# KiCad board Video Board - Signals.kicad_pcb (continued)
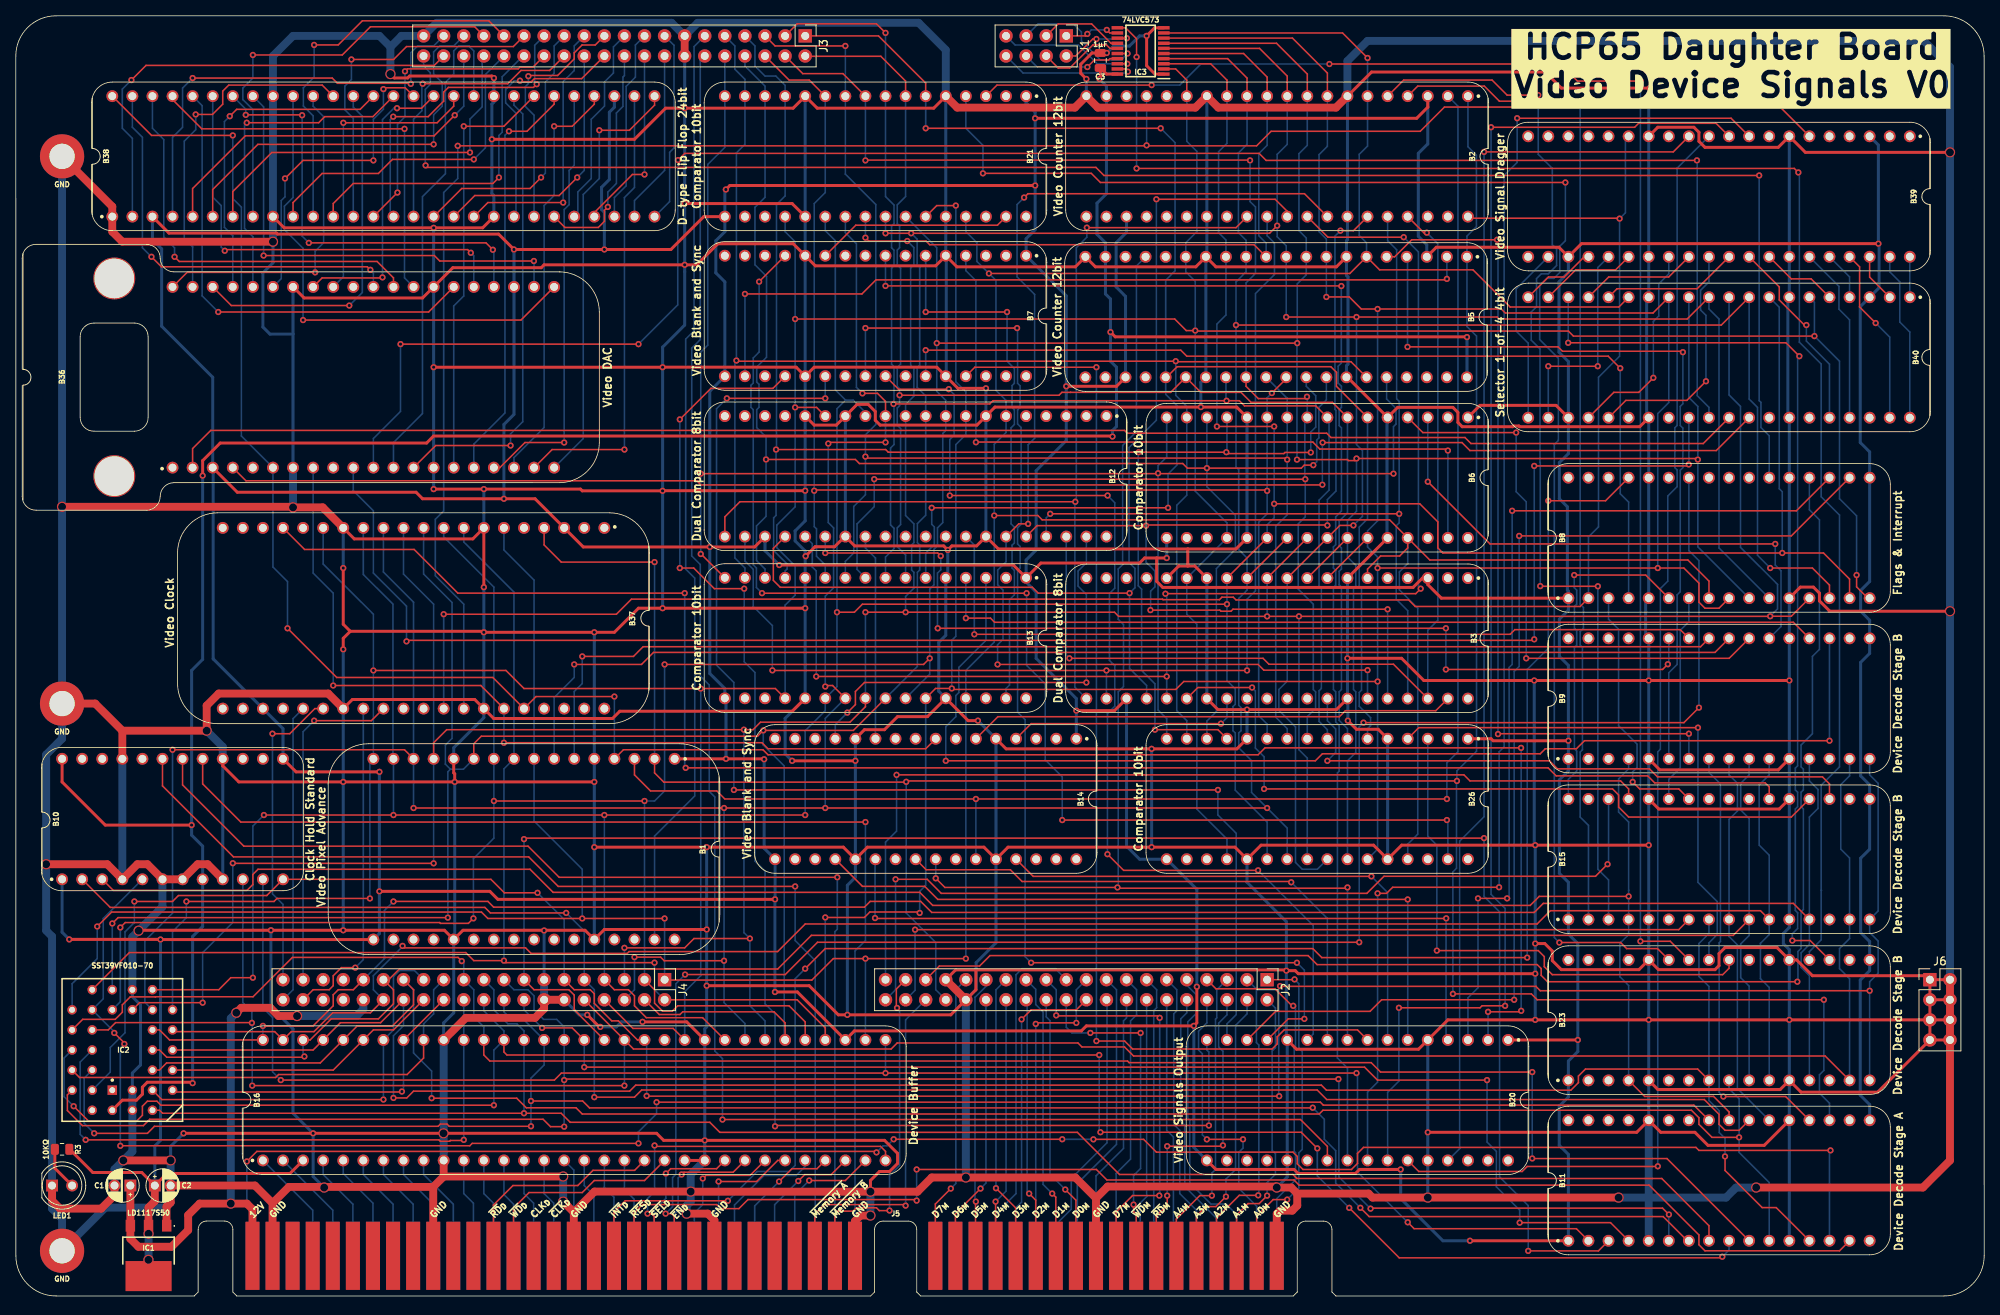
[diagram p0: board, top side]
## Routing (per net, layer and track width the routed paths; a pad name or vN(x,y) marks a point on that pad's centre or on a via; arc(x,y) is an arc through that point) (continued)
/~{Vertical Sync Start} _{CMP}: length 67.9
  Top w0.2: v1(125.36,124.46) 125.36,124.46 v1(115.07,124.46)
  Bottom w0.2: v1(125.36,124.46) 125.36,118.24 126.29,117.31 126.29,115.44 125.99,115.15 125.99,112.4 126.29,112.1 126.29,110.24 125.87,109.82 125.87,97.66 126.29,97.24 126.29,95.25 125.99,94.96 125.99,92.08 126.29,91.78 126.29,88.69 125.67,88.07 125.67,77.28 125.23,76.84 B13.31 ; B7.6 v1(115.07,124.46)
/~{Vertical Sync}: length 179.1
  Top w0.2: v1(83.97,92.08) 85.73,92.08 88.34,89.47 v1(92.12,89.47) ; v1(96.02,21.46) 96.12,21.57 v1(150.88,21.57) ; v1(83.97,110.87) 87.91,114.81 95.76,114.81 B7.20
  Bottom w0.2: v1(96.02,21.46) 96.02,35.69 94.75,36.96 94.75,53.74 93.48,55.01 93.48,78.86 92.12,80.22 v1(92.12,89.47) ; v1(150.88,21.57) 150.88,30.86 150.63,31.12 B20.16 ; v1(83.97,92.08) v1(83.97,110.87)
/~{WD}: length 323.4
  Top w0.2: v1(159.77,25.27) 79.81,25.27 v1(79.78,25.31) ; v1(65.98,51) 61.79,51 60.08,52.71 B10.12 31.73,50.65 20.56,50.65 19.81,49.9 v1(14.99,49.9) ; B16.45 78.62,32.39 76.21,34.8 75.37,34.8 73.16,37.01 73.16,38.23 72.65,38.74 70.62,38.74 J4.11 ; v1(234.45,38.61) 192.79,38.61 192.24,39.17 159.92,39.17 v1(159.89,39.2)
  Bottom w0.2: v1(159.89,39.2) 159.72,39.03 159.72,25.32 v1(159.77,25.27) ; 79.78,32.11 v1(79.78,25.31) ; v1(14.99,49.9) 14.99,47.24 13.81,46.06 13.81,33.3 11.95,31.43 11.95,28.32 IC2.31 ; B23.16 v1(234.45,38.61) 234.45,39.75 235.52,40.83 235.52,44.9 234.45,45.97 B15.16 235.52,48.7 235.52,64.84 234.45,65.91 B9.16 ; v1(65.98,51) 69.35,47.63 J4.11
AD0: length 14.7
  Bottom w0.2: B16.1 37.55,10.85 37.55,5.08
AD1: length 14.7
  Bottom w0.2: 40.09,5.08 40.09,10.85 B16.2
AD2: length 13.6
  Bottom w0.2: 42.63,5.08 42.63,11.61 38.87,15.37 B16.4
AD3: length 13.6
  Bottom w0.2: B16.5 41.41,15.49 45.17,11.73 45.17,5.08
AD4: length 13.6
  Bottom w0.2: B16.6 43.95,15.37 47.71,11.61 47.71,5.08
AD5: length 13.6
  Bottom w0.2: 50.25,5.08 50.25,11.61 46.49,15.37 B16.7
AD6: length 13.3
  Bottom w0.2: B16.8 49.03,15.37 52.59,11.81 52.59,5.28
AD7: length 13.6
  Bottom w0.2: B16.9 51.57,15.37 55.33,11.61 55.33,5.08
AD8: length 12.6
  Bottom w0.2: 57.87,5.08 57.87,11.73 56.65,12.95 B16.11
AD9: length 12.6
  Bottom w0.2: 60.41,5.08 60.41,11.73 59.19,12.95 B16.12
AD10: length 12.6
  Bottom w0.2: B16.13 61.73,12.83 62.95,11.61 62.95,5.08
AD11: length 12.6
  Bottom w0.2: B16.14 64.27,12.95 65.49,11.73 65.49,5.08
AD12: length 12.6
  Bottom w0.2: B16.15 66.81,12.95 68.03,11.73 68.03,5.08
AD13: length 12.6
  Bottom w0.2: B16.16 70.57,15.93 70.57,5.08
AD14: length 12.6
  Bottom w0.2: B16.17 71.89,13.97 73.11,12.75 73.11,5.08
AD15: length 12.6
  Bottom w0.2: 75.65,5.08 75.65,12.5 74.43,13.72 B16.18
AD16: length 12.6
  Bottom w0.2: 78.19,5.08 78.19,12.24 76.97,13.46 B16.19
AM0: length 42.3
  Top w0.2: J2.1 161.68,40.01 v1(161.72,40.04) ; v1(160.79,12.19) 159.01,12.19 156.93,10.11 156.93,5.08
  Bottom w0.2: v1(161.72,40.04) 162.26,39.5 162.26,31.37 162.69,30.93 162.69,18.54 162.26,18.11 162.26,13.66 v1(160.79,12.19)
AM1: length 36
  Top w0.2: v1(158.25,12.69) 157.24,11.68 155.84,11.68 154.39,10.24 154.39,5.08
  Bottom w0.2: v1(158.25,12.69) 158.25,14.35 159.3,15.4 159.3,18 158.88,18.42 158.88,30.99 159.3,31.4 159.3,36.41 J2.2
AM2: length 39.2
  Top w0.2: v1(157.12,12.73) 154.72,12.73 151.85,9.86 151.85,5.08
  Bottom w0.2: v1(157.12,12.73) 157.2,12.81 157.2,31.75 156.9,32.05 156.9,38.82 J2.3
AM3: length 35.8
  Top w0.2: v1(153.04,12.57) 151.77,11.3 150.5,11.3 149.31,10.11 149.31,5.08
  Bottom w0.2: J2.4 155.71,35.69 154.26,34.24 154.26,16 153.04,14.79 v1(153.04,12.57)
AM4: length 38.5
  Top w0.2: v1(151.26,12.69) 149.73,12.69 146.77,9.73 146.77,5.08
  Bottom w0.2: v1(151.26,12.69) 151.26,15.55 151.72,16 151.72,35.02 151.88,35.18 151.88,38.72 J2.5
AM5: length 40.6
  Top w0.2: v1(145.61,12.69) 145.61,11.49 144.23,10.11 144.23,5.08 ; v1(145.61,18.95) 152.56,18.95 v1(152.66,19.05)
  Bottom w0.2: v1(145.61,12.69) 145.61,18.94 v1(145.61,18.95) ; v1(152.66,19.05) 152.66,30.95 152.12,31.5 152.12,34.51 153.17,35.56 J2.6
AM6: length 40.9
  Top w0.2: J2.7 151.78,38.85 159.25,38.85 161.4,36.7 v1(161.55,36.7)
  Bottom w0.2: v1(161.55,36.7) 161.84,36.41 161.84,31.53 161.68,31.37 161.68,18.29 161.84,18.13 161.84,14.68 159.47,12.31 159.47,9.28
AM7: length 39
  Top w0.2: v1(150.63,19.81) v1(155.2,19.81)
  Bottom w0.2: 156.93,5.08 156.93,11.35 154.66,13.62 154.66,18.16 155.2,18.7 v1(155.2,19.81) ; J2.8 150.63,34.54 149.58,33.49 149.58,31.12 150.06,30.64 150.06,20.38 v1(150.63,19.81)
AM8: length 38.9
  Bottom w0.2: 154.39,5.08 154.39,10.29 153.06,11.62 151.15,11.62 148.47,14.31 148.47,22.23 148.22,22.48 148.22,34.67 149.36,35.81 149.36,38.04 148.09,39.31
AM9: length 34.6
  Bottom w0.2: J2.10 148.09,35.81 147.33,35.05 147.33,22.1 147.84,21.59 147.84,13.84 151.85,9.82 151.85,5.08
AM10: length 36.8
  Bottom w0.2: 149.31,5.08 149.31,10.85 147.2,12.95 147.2,20.96 146.44,21.72 146.44,35.69 146.82,36.07 146.82,38.74 J2.11
AM11: length 32.1
  Bottom w0.2: J2.12 145.55,20.96 146.4,20.11 146.4,5.67
AM12: length 35.3
  Bottom w0.2: 143.91,5.4 143.91,36.1 144.28,36.47 144.28,38.74 J2.13
AM13: length 32.2
  Bottom w0.2: J2.14 143.01,12.56 142.2,11.76 142.2,5.59
AM14: length 36.5
  Bottom w0.2: J2.15 141.74,38.74 141.74,35.56 140.98,34.8 140.98,17.32 139.15,15.49 139.15,5.08
AM15: length 34
  Bottom w0.2: 136.61,5.08 136.61,15.19 140.09,18.67 140.09,34.8 140.47,35.18 J2.16
AM16: length 37.3
  Bottom w0.2: J2.17 139.2,38.74 139.2,19.18 134.25,14.22 134.25,5.26
AM17: length 31
  Bottom w0.2: 131.53,9.03 133.48,10.98 133.48,14.86 138,19.37 138,37.4
AM18: length 40.5
  Top w0.2: v1(134.12,34.54) 129.12,34.54 v1(128.99,34.42)
  Bottom w0.2: J2.19 134.12,38.74 v1(134.12,34.54) ; 128.99,5.08 v1(128.99,34.42)
AM19: length 39.4
  Top w0.2: J2.20 134.12,36.2 128.4,36.2 v1(127.19,34.98)
  Bottom w0.2: 126.45,5.08 126.45,11.13 127.19,11.87 v1(127.19,34.98)
AM20: length 43.9
  Bottom w0.2: 123.91,5.08 123.91,10.36 126.49,12.95 126.49,40.63 127.26,41.4 131.45,41.4 J2.21
DD0: length 18.4
  Top w0.2: B16.31 104.91,14.61 v1(100.34,14.61)
  Bottom w0.2: 98.51,5.08 98.51,12.78 v1(100.34,14.61)
DD1: length 17.7
  Top w0.2: B16.30 103.11,15.35 99.76,15.35 v1(98.96,14.54)
  Bottom w0.2: v1(98.96,14.54) 95.97,11.55 95.97,5.08
DD2: length 17.6
  Top w0.2: v1(96.53,14.48) 98.15,16.1 101.32,16.1 B16.29
  Bottom w0.2: 93.45,5.1 93.45,11.4 v1(96.53,14.48)
DD3: length 18.1
  Bottom w0.2: 90.89,5.08 90.89,11.51 94.62,15.24 98.69,15.24 99.83,16.38 B16.28
DD4: length 19.1
  Top w0.2: B16.27 96.36,17.15 93.69,14.48 v1(88.88,14.48)
  Bottom w0.2: 88.35,5.08 88.35,10.74 88.88,11.27 v1(88.88,14.48)
DD5: length 19
  Top w0.2: B16.26 92.86,15.26 87.28,15.26 v1(86.88,14.86)
  Bottom w0.2: v1(86.88,14.86) 86.88,11.56 85.81,10.49 85.81,5.08
DD6: length 19.4
  Top w0.2: B16.25 90.72,15.66 84.49,15.66 v1(84.2,15.37)
  Bottom w0.2: 83.27,5.08 83.27,10.36 83.76,10.85 83.76,14.92 v1(84.2,15.37)
DD7: length 19.2
  Top w0.2: v1(82.21,15.49) 82.81,16.1 88.62,16.1 B16.24
  Bottom w0.2: v1(82.21,15.49) 82.21,12.35 80.73,10.87 80.73,5.08
DM0: length 33.9
  Top w0.2: v1(132.72,13.46) 134.07,12.12 134.07,5.08
  Bottom w0.2: J2.24 130.31,35.31 130.79,34.82 130.79,15.39 v1(132.72,13.46)
DM1: length 36.5
  Top w0.2: 131.53,5.08 131.53,12.5 v1(131.07,12.95)
  Bottom w0.2: J2.25 128.98,38.79 128.98,36.87 129.91,35.94 129.91,14.12 v1(131.07,12.95)
DM2: length 32.7
  Top w0.2: v1(128.15,12.95) 128.99,12.12 128.99,5.08
  Bottom w0.2: v1(128.15,12.95) 127.9,13.21 127.9,37.34
DM3: length 36.5
  Top w0.2: 126.45,5.08 126.45,11.14 v1(123.96,13.63)
  Bottom w0.2: v1(123.96,13.63) 123.96,38.74 J2.27
DM4: length 32.9
  Top w0.2: 123.91,5.08 v1(123.91,11.94)
  Bottom w0.2: v1(123.91,11.94) 125.23,13.26 J2.28
DM5: length 35.6
  Top w0.2: v1(121.42,11.94) 121.37,11.89 121.37,5.08
  Bottom w0.2: J2.29 122.69,39.16 121.31,37.78 121.31,12.05 v1(121.42,11.94)
DM6: length 30.1
  Top w0.2: v1(122.01,13.59) 118.83,10.41 118.83,8.94
  Bottom w0.2: v1(122.01,13.59) 122.69,14.27 J2.30
DM7: length 36.5
  Top w0.2: v1(118.25,13.59) 116.29,11.63 116.29,5.08
  Bottom w0.2: J2.31 118.88,38.74 118.88,14.22 v1(118.25,13.59)
D~{RD}: length 27.9
  Top w0.2: 60.41,5.08 60.41,11.51 62.87,13.97 71.07,13.97 72.99,15.89 78.26,15.89 B16.20
D~{WD}: length 27.6
  Top w0.2: B16.21 79.51,14.61 73.16,14.61 71.64,13.08 64.91,13.08 62.95,11.13 62.95,5.08
HD0: length 144.3
  Top w0.2: v1(107.45,59.94) 28.46,59.94 23.63,64.77 23.63,67.84
  Bottom w0.2: 106.13,5.08 106.13,43.64 107.45,44.96 v1(107.45,59.94)
HD1: length 139
  Top w0.2: v1(103.89,52.96) 68.72,52.96 64.78,56.9 28.84,56.9 21.09,64.64 B10.18
  Bottom w0.2: v1(103.89,52.96) 103.89,46.39 103.59,46.09 103.59,5.08
HD2: length 136.4
  Top w0.2: B10.19 18.55,64.52 27.53,55.54 64.87,55.54 68.6,51.8 v1(98.56,51.8)
  Bottom w0.2: v1(98.56,51.8) 98.56,44.96 101.1,42.42 101.1,5.13
M~{RD}: length 52.6
  Top w0.2: v1(144.66,35.18) 144.41,35.43 131.64,35.43 v1(131.58,35.5) ; 139.15,5.08 139.15,10.62 141.23,12.7 v1(144.61,12.7)
  Bottom w0.2: v1(144.66,35.18) 144.66,12.75 v1(144.61,12.7) ; J2.23 131.58,38.74 v1(131.58,35.5)
M~{WD}: length 41.9
  Top w0.2: 141.69,5.08 141.69,10.34 141.36,10.67 v1(141.36,11.56) ; v1(135.9,33.27) v1(142.25,33.27)
  Bottom w0.2: J2.22 132.85,33.99 133.56,33.27 v1(135.9,33.27) ; v1(142.25,33.27) 142.25,16.13 141.36,15.24 v1(141.36,11.56)
~{Device Interrupt}: length 219.4
  Top w0.2: B8.29 201.05,100.58 v1(193.81,100.58) ; 75.65,5.08 75.65,10.62 77.07,12.04 v1(90.05,12.04) ; v1(191.14,42.8) 165.17,42.8 164.03,43.94 102.37,43.94 v1(99.83,41.4)
  Bottom w0.2: v1(191.14,42.8) 191.14,79.25 193.81,81.92 v1(193.81,100.58) ; v1(99.83,41.4) 98.56,40.13 98.56,16.51 97.8,15.75 93.76,15.75 v1(90.05,12.04)
~{Enable Device}: length 225.3
  Top w0.2: v1(84.64,40.66) 97.31,40.66 101.39,44.74 v1(169.9,44.74) ; v1(170.44,72.52) 210.95,72.52 v1(212.86,74.42) ; 83.27,5.08 83.27,10.08 82.94,10.41 v1(82.18,10.41)
  Bottom w0.2: v1(84.64,40.66) 83.47,39.49 83.47,15.39 83.06,14.98 83.06,11.29 v1(82.18,10.41) ; B8.26 211.59,94.28 212.86,93.01 v1(212.86,74.42) ; v1(170.44,72.52) 169.9,71.97 v1(169.9,44.74)
~{Memory A}: length 44.4
  Top w0.2: v1(112.53,11.43) 112.41,11.55 102.24,11.55 101.05,10.36 101.05,5.08
  Bottom w0.2: v1(112.53,11.43) 112.53,34.93 J2.36
~{Memory B}: length 43.1
  Top w0.2: 103.59,5.08 103.59,10.36 103.96,10.73 105.88,10.73 106.31,11.15 108.85,11.15 109.21,10.8 110.49,10.8 v1(110.5,10.81) ; J2.37 111.35,38.83 111.35,36.53 v1(111.45,36.43)
  Bottom w0.2: v1(110.5,10.81) 110.5,15.24 111.77,16.51 111.77,36.11 v1(111.45,36.43)
~{Reset Device}: length 169.8
  Top w0.2: v1(113.93,12.06) 113.8,12.19 92.59,12.19 91.45,11.05 89.16,11.05 88.65,11.56 79.26,11.56 78.19,10.49 78.19,5.08 ; v1(113.93,16) 136.66,16 137.99,14.68 161.64,14.68 162.29,14.02 206.56,14.02 212.86,7.72 212.86,6.48 213.62,5.72 230.64,5.72 B11.15
  Bottom w0.2: v1(113.93,16) v1(113.93,12.06)
~{Reset System}: length 229.5
  Top w0.2: v1(229.5,18.42) 212.86,18.42 212.48,18.8 170.44,18.8 169.68,18.03 169.68,16.76 168.92,16 162.78,16 162.06,16.72 162.06,17.65 161.52,18.2 144.25,18.2 142.63,19.81 v1(136.28,19.81) ; v1(132.34,19.82) v1(111.02,19.82) ; v1(108.85,18.16) 108.72,18.29 30.49,18.29 v1(29.22,17.02)
  Bottom w0.2: B11.14 229.37,18.29 v1(229.5,18.42) ; v1(108.85,18.16) 109.67,18.99 110.18,18.99 v1(111.02,19.82) ; v1(136.28,19.81) 132.35,19.81 v1(132.34,19.82) ; v1(29.22,17.02) 29.22,12.19 29.93,11.48 29.93,5.08
~{Select Device}: length 45.6
  Top w0.2: B16.32 109.99,18.29 109.36,18.92 80.89,18.92 v1(80.78,19.04) ; 80.73,5.08 80.73,10.08 80.4,10.41 v1(79.89,10.41)
  Bottom w0.2: v1(80.78,19.04) 80.78,13.21 79.89,12.32 v1(79.89,10.41)
Net-(LED1-A): length 5.5
  Top w0.38: R3.1 4.94,16.16 7.12,13.97

## Text on the board
B.Silkscreen: ~{Reset} | GND | R6 | R4 | R2 | R0 | G6 | G4 | G2 | G0 | B6 | B4 | B2 | B0 | AP | rw8 | rw6 | r4 | rw2 | rw0 | PL1 | PL3 | PL5 | PL7 | CLK3 | ~{CLK2} | 12V | A1 | A3 | PalW | A5 | R7 | A7 | R5 | A9 | R3 | A11 | R1 | A13 | G7 | A15 | G5 | G3 | G1 | ~{RD} | B7 | D0 | B5 | D2 | B3 | D4 | B1 | D6 | LP+1 | Row9 | Row7 | Row5 | Row3 | Row1 | RAL | RAB | ~{Memory A} | D6M | PL0 | D4M | PL2 | D2M | PL4 | D0M | PL6 | ~{WD}M | A19M | A17M | A15M | A13M | A11M | A9M | A7M | A5M | A3M | A1M | CLK2 | A0_{D} | A1_{D} | A2_{D} | A0 | A3_{D} | A2 | A4_{D} | A4 | A5_{D} | A6 | A6_{D} | A8 | A7_{D} | A10 | A8_{D} | A12 | A9_{D} | A14 | A10_{D} | A16 | A11_{D} | A12_{D} | ~{WD} | A13_{D} | ~{RAM} | A14_{D} | D1 | A15_{D} | D3 | A16_{D} | D5 | D7_{D} | D7 | D6_{D} | D5_{D} | D4_{D} | D3_{D} | D2_{D} | D1_{D} | D0_{D} | H2_{D} | H1_{D} | H0_{D} | RAH | ~{Memory B} | Memory Frame | A23_{M} | A22_{M} | D7M | A21_{M} | D5M | A20_{M} | D3M | A19_{M} | D1M | A18_{M} | ~{RD}M | A17_{M} | A20M | A16_{M} | A18M | A15_{M} | A16M | A14_{M} | A14M | A13_{M} | A12M | A12_{M} | A10M | A11_{M} | A8M | A10_{M} | A6M | A9_{M} | A4M | A8_{M} | A2M | A7_{M} | A0M | A6_{M} | HCP65 Daughter Board / Video Device Signals V0
F.Silkscreen: 12V | GND | ~{RD}_{D} | ~{WD}_{D} | CLK_{D} | ~{CLK}_{D} | ~{INT}_{D} | ~{RES}_{D} | ~{SEL}_{D} | ~{EN}_{D} | ~{Memory A} | ~{Memory B} | D7_{M} | D6_{M} | D5_{M} | D4_{M} | D3_{M} | D2_{M} | D1_{M} | D0_{M} | ~{WD}_{M} | ~{RD}_{M} | A4_{M} | A3_{M} | A2_{M} | A1_{M} | A0_{M} | HCP65 Daughter Board / Video Device Signals V0
